# Altium PCB 11BRANMB10H_20170919.pcbdoc (part 7 of 7)
Units mm, origin at the board's own origin, x right, y up, seen from the top; angles counter-clockwise.
Board outline 91.65 x 48.25 mm, 6 copper layers (TOP, GND1, Singal, POWER, GND2, BOTTOM), stack 0.8 mm thick; 367 components, 288 nets, 1408 pads, 965 vias.
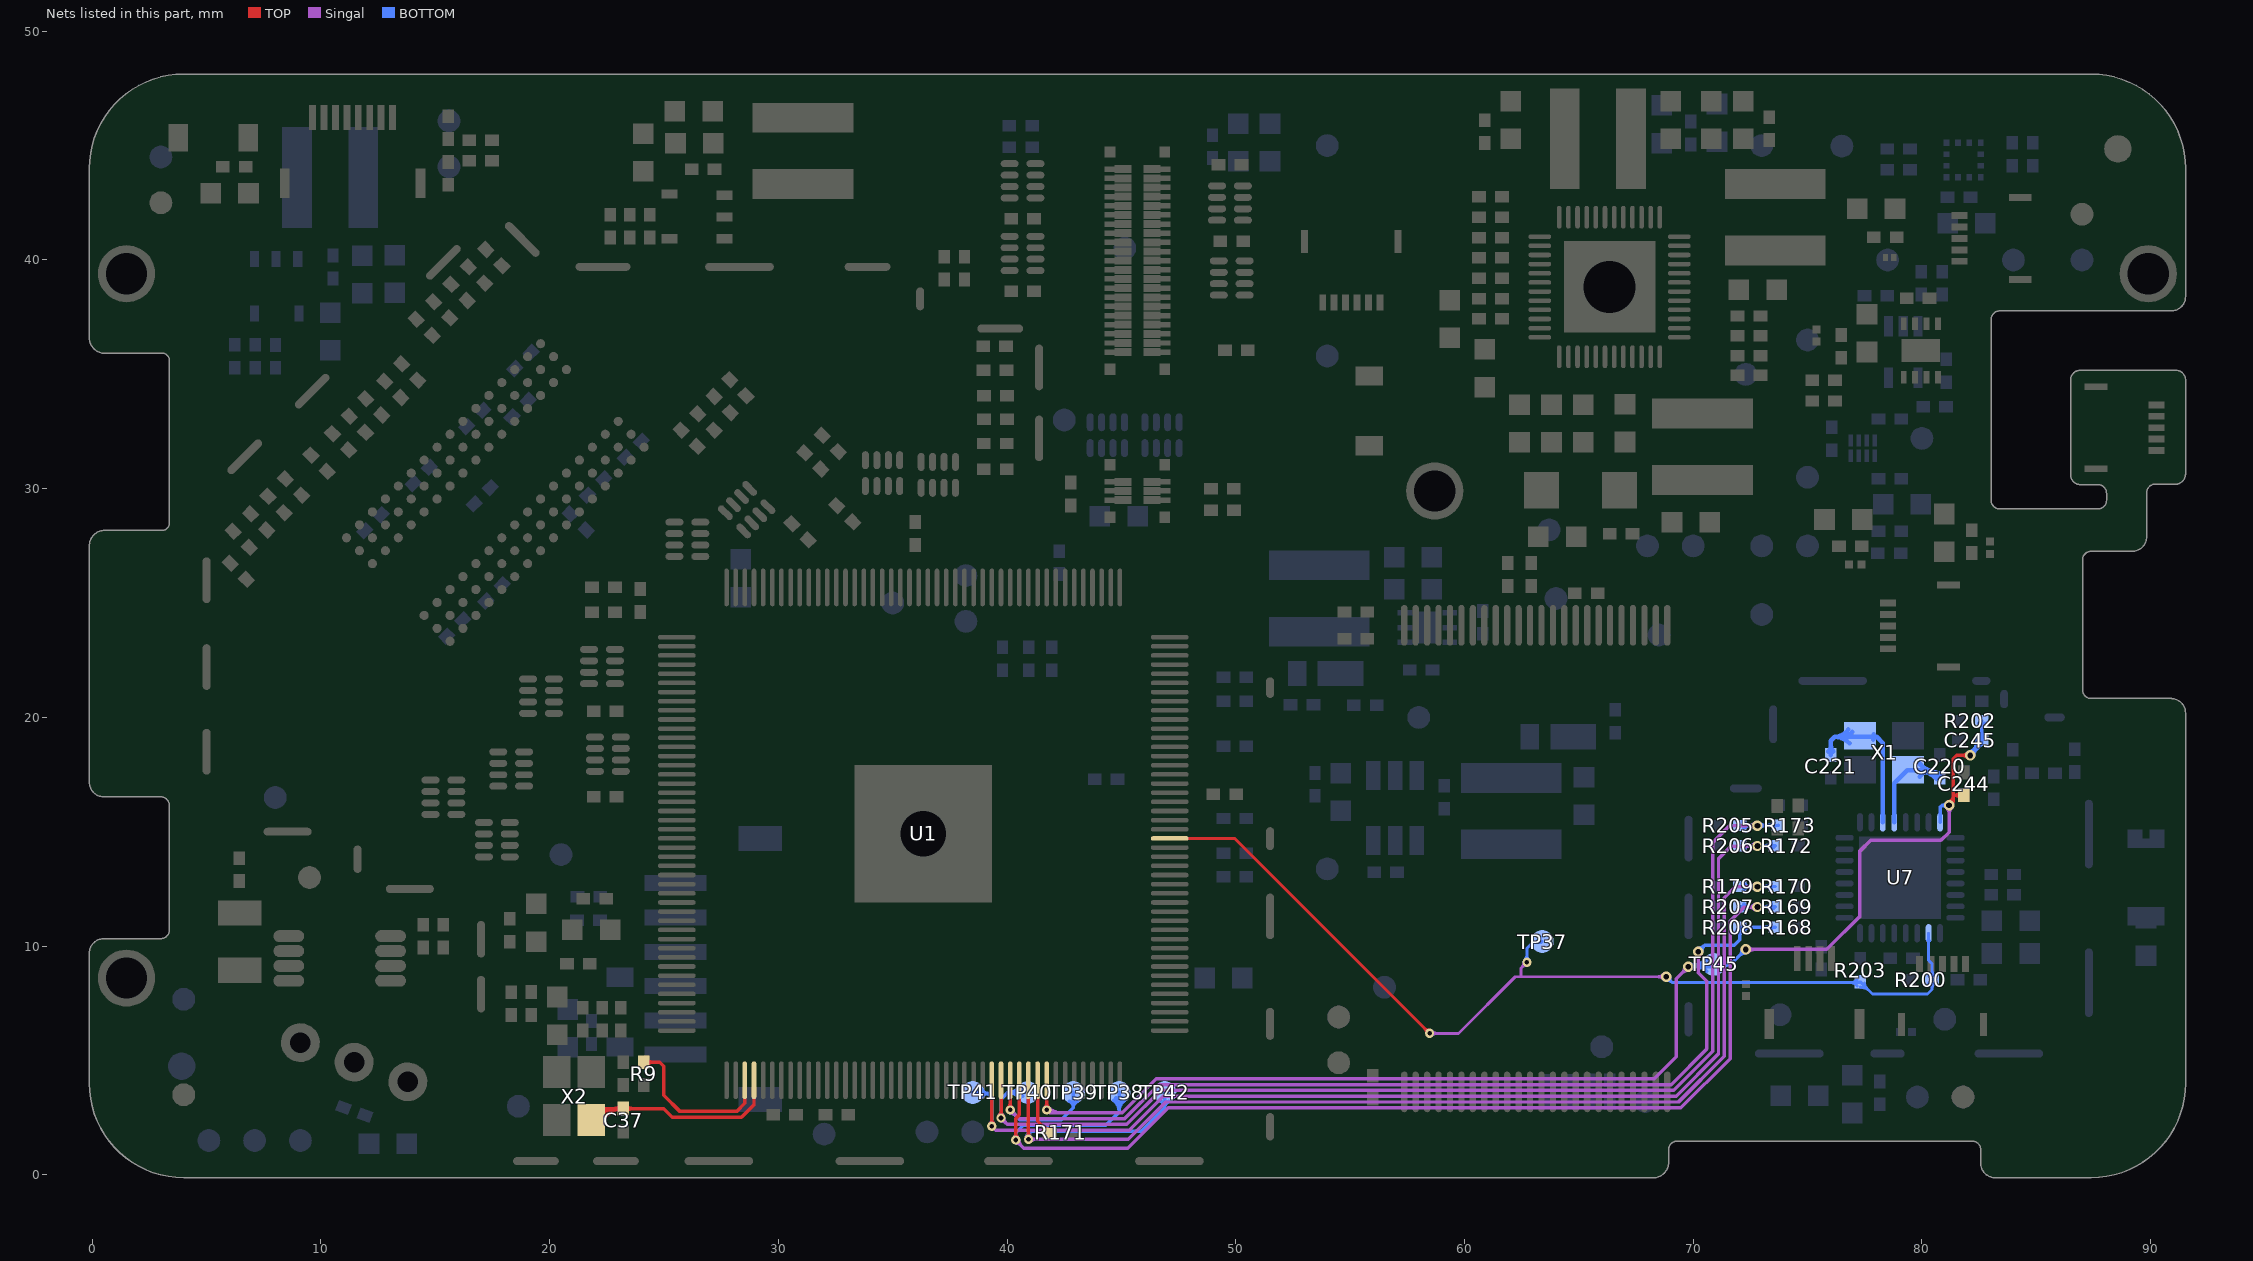
[diagram p11: the nets of this part, all layers, seen from the top]

## Via types
v1: diameter 0.406, hole 0.203, TOP to BOTTOM, tented both sides, 427 vias
v2: diameter 0.457, hole 0.254, TOP to BOTTOM, tented both sides, 256 vias
v3: diameter 0.559, hole 0.305, TOP to BOTTOM, tented both sides, 192 vias
v4: diameter 0.762, hole 0.457, TOP to BOTTOM, tented both sides, 69 vias
v5: diameter 0.61, hole 0.33, TOP to BOTTOM, tented both sides, 11 vias
v6: diameter 0.5, hole 0.2, TOP to BOTTOM, 9 vias
v7: diameter 0.508, hole 0.254, TOP to BOTTOM, tented both sides, 1 vias

## Nets (pads, with @x,y where several pads share a name; then routed paths per layer and width w, separated by ;. In a path a pad name is that pad's centre, name@x,y a point inside that pad or via, vN(x,y) a via of type N, cw(c..) or ccw(c..) an arc to the next point about the centre after c; other vN are vias at no path point) (continued)
WL-RESTN: C244.2 C245.1 R202.1 TP45.1 U1.124 U7.32 | length 71.1
  TOP w0.152: v1@41.645,2.928 ccw(c41.429,3.145) 41.735,3.145 ccw(c42.042,3.145) v1@41.825,2.928 ; v1(41.735,2.838) U1.124@41.735,4.133 ; v2@81.151,16.302 ccw(c81.074,16.594) 81.376,16.594 ; v2@81.231,16.301 ccw(c81.27,16.446) 81.376,16.34 ; v2@81.338,16.194 cw(c81.483,16.234) 81.376,16.34 ; 81.376,16.396 cw(c81.126,16.396) v2(81.191,16.154) 81.376,16.34 ; C244.2@81.703,16.471 ccw(c81.406,16.175) 81.406,16.594 ccw(c81.406,17.014) C244.2@81.703,16.717 ; C244.2@81.826,16.594 81.376,16.594 ; v2@82.01,18.231 ccw(c81.75,17.971) 81.75,18.339 ccw(c81.75,18.707) v2@82.01,18.446 ; v2(82.118,18.339) 81.521,18.339 81.376,18.194 81.376,16.594 ; 81.376,16.34 81.376,16.594
  Singal w0.152: v1@41.717,2.82 ccw(c41.98,3.083) 41.98,2.711 ; v1(41.735,2.838) 41.862,2.711 45.031,2.711 46.519,4.199 68.301,4.199 69.266,5.165 69.266,8.573 v2(69.786,9.093) ; v1@41.825,2.928 ccw(c42.348,3.451) 42.348,2.711 ; v2@69.634,9.093 cw(c69.266,9.093) 69.526,8.833 cw(c69.786,8.573) v2@69.786,8.941 ; v2(72.301,9.855) 75.836,9.855 77.292,11.311 77.292,14.16 77.762,14.63 80.835,14.63 81.191,14.986 v2(81.191,16.154) ; v2@72.408,9.747 cw(c72.669,9.487) 72.669,9.855 cw(c72.669,10.223) v2@72.408,9.963 ; v2@81.083,16.047 cw(c80.823,15.786) 81.191,15.786 cw(c81.559,15.786) v2@81.298,16.047
  BOTTOM w0.152: v2@69.735,9.093 v2(69.786,9.093) ; v2@69.862,9.225 ccw(c70.046,9.544) 70.141,9.188 ; v2@69.894,8.985 cw(c70.154,8.725) 70.154,9.093 cw(c70.154,9.461) v2@69.894,9.201 ; v2@69.918,9.017 cw(c70.237,8.833) 70.141,9.188 ; 70.106,9.093 ccw(c70.106,9.844) TP45.1@70.689,9.371 ; 70.135,9.093 cw(c70.135,8.435) TP45.1@70.6,8.9 ; TP45.1@70.571,9.467 cw(c69.786,10.104) v2(69.786,9.093) ; TP45.1@71.264,8.983 cw(c71.645,8.756) 71.645,9.2 ; TP45.1@71.264,9.417 ccw(c71.645,9.644) 71.645,9.2 ; v2@72.148,9.855 cw(c71.78,9.855) 72.04,9.595 cw(c72.301,9.335) v2@72.301,9.703 ; v2(72.301,9.855) 71.645,9.2 ; U7.32@80.793,15.412 80.793,16.062 80.886,16.154 ; v2@81.069,16.063 ccw(c80.886,15.926) 80.886,16.154 ; v2@81.069,16.246 cw(c80.886,16.383) 80.886,16.154 ; v2(81.191,16.154) 80.886,16.154 ; v2@82.079,18.486 ccw(c81.982,18.847) 82.306,18.66 ; v2(82.118,18.339) 82.618,18.839 C245.1@82.618,18.999 R202.1@82.618,19.863 ; v2@82.118,18.491 ccw(c82.118,18.859) 82.378,18.599 ccw(c82.639,18.339) v2@82.271,18.339 ; v2@82.123,18.343 ccw(c81.467,18.999) C245.1@82.394,18.999 ; v2@82.265,18.378 cw(c82.615,18.472) 82.302,18.653 ; 82.383,18.603 ccw(c81.987,18.999) C245.1@82.547,18.999 ; C245.1@82.495,19.122 ccw(c82.199,19.419) 82.618,19.419 ccw(c83.038,19.419) C245.1@82.741,19.122 ; R202.1@82.495,19.74 cw(c82.199,19.443) 82.618,19.443 cw(c83.038,19.443) R202.1@82.741,19.74 ; v2(69.786,9.093) 70.793,9.093 TP45.1@70.9,9.2 71.645,9.2
WL-SDIO-CLK: R171.1 U1.123 | length 3.2
  TOP w0.152: U1.123@41.335,4.133 41.335,2.348 R171.1@41.854,1.829 ; 41.472,2.211 cw(c41.09,1.829) R171.1@41.63,1.829 ; 41.593,2.09 ccw(c41.804,2.301) R171.1@41.804,2.003
WL-SDIO-CMD: R170.1 R179.2 TP42.1 U1.122 | length 57.8
  TOP w0.152: v1@40.935,1.521 v1(40.935,1.549) ; U1.122@40.935,4.133 40.932,4.13 40.932,2.384 40.935,2.381 v1(40.935,1.549) ; v1@41.025,1.639 cw(c41.242,1.856) 40.935,1.856 cw(c40.628,1.856) 40.845,1.639 v1(40.935,1.549)
  Singal w0.152: v1(40.935,1.549) 45.306,1.549 46.94,3.183 69.359,3.183 71.361,5.185 71.361,12.116 71.843,12.598 v2(72.809,12.598) ; v1@41.025,1.46 cw(c41.242,1.243) 41.242,1.549 cw(c41.242,1.856) v1@41.025,1.639 ; v2@72.701,12.491 ccw(c72.441,12.23) 72.441,12.598 ccw(c72.441,12.966) v2@72.701,12.706
  BOTTOM w0.152: v1@40.858,1.65 ccw(c40.738,1.807) 40.935,1.807 ; v1@40.916,1.532 cw(c41.054,1.66) 40.921,1.793 ; v1(40.935,1.549) 40.935,1.807 ; v1@41.012,1.65 cw(c41.133,1.807) 40.935,1.807 ; v1@41.028,1.636 cw(c41.17,1.768) 41.033,1.905 ; TP42.1@46.723,3.215 cw(c46.595,2.938) 46.9,2.938 ; TP42.1@46.9,3.6 46.9,2.938 ; TP42.1@47.077,3.215 ccw(c47.205,2.938) 46.9,2.938 ; R179.2@72.039,12.606 72.809,12.606 R170.1@73.59,12.606 ; R179.2@72.211,12.483 cw(c72.508,12.187) 72.508,12.606 cw(c72.508,13.026) R179.2@72.211,12.729 ; 72.422,12.606 cw(c72.422,12.212) v2@72.701,12.491 ; 72.459,12.606 ccw(c72.459,12.948) v2@72.701,12.706 ; v2@72.916,12.491 cw(c73.195,12.212) 73.195,12.606 ; v2@72.916,12.706 ccw(c73.158,12.948) 73.158,12.606 ; R170.1@73.417,12.483 ccw(c73.12,12.187) 73.12,12.606 ccw(c73.12,13.026) R170.1@73.417,12.729 ; 40.935,1.807 41.033,1.905 ; 41.033,1.905 45.859,1.905 46.892,2.938 46.9,2.938
WL-SDIO-D0: R172.1 R206.1 TP41.1 U1.118 | length 54.2
  TOP w0.152: v1@39.245,2.217 ccw(c39.028,2.433) 39.335,2.433 ccw(c39.642,2.433) v1@39.425,2.217 ; v1(39.335,2.127) U1.118@39.335,4.133
  Singal w0.152: v1(39.335,2.127) 39.513,1.949 45.347,1.949 46.835,3.437 69.254,3.437 71.107,5.29 71.107,13.818 71.666,14.376 v2(72.809,14.376) ; v2@72.701,14.269 ccw(c72.441,14.008) 72.441,14.376 ccw(c72.441,14.744) v2@72.701,14.484
  BOTTOM w0.152: TP41.1@38.5,3.6 38.544,3.556 39.154,3.556 ; TP41.1@38.868,3.39 cw(c39.154,3.228) 39.154,3.556 ; TP41.1@38.901,3.737 ccw(c39.154,3.823) 39.154,3.556 ; v1@39.245,2.217 ccw(c39.028,2.433) 39.335,2.433 ccw(c39.642,2.433) v1@39.425,2.217 ; v1(39.335,2.127) 39.335,3.374 39.154,3.556 ; R206.1@72.038,14.384 72.809,14.384 R172.1@73.59,14.384 R172.1@73.527,14.321 ; R206.1@72.211,14.261 cw(c72.508,13.965) 72.508,14.384 cw(c72.508,14.804) R206.1@72.211,14.507 ; 72.421,14.384 cw(c72.421,13.989) v2@72.701,14.269 ; 72.46,14.384 ccw(c72.46,14.725) v2@72.701,14.484 ; v2@72.916,14.269 cw(c73.196,13.989) 73.196,14.384 ; v2@72.916,14.484 ccw(c73.157,14.725) 73.157,14.384 ; 73.12,14.384 cw(c73.12,13.964) R172.1@73.417,14.261 ; 73.121,14.384 ccw(c73.121,14.803) R172.1@73.417,14.507
WL-SDIO-D1: R173.1 R205.1 TP40.1 U1.119 | length 56.1
  TOP w0.152: v1@39.645,2.572 ccw(c39.429,2.789) 39.735,2.789 ccw(c40.042,2.789) v1@39.825,2.572 ; v1@39.735,2.384 v1(39.735,2.482) U1.119@39.735,4.133
  Singal w0.152: v1@39.735,2.355 cw(c39.735,2.049) 39.952,2.266 cw(c40.169,2.482) v1@39.862,2.482 ; v1(39.735,2.482) 40.015,2.203 45.241,2.203 46.73,3.691 69.148,3.691 70.853,5.396 70.853,14.529 71.589,15.265 v2(72.809,15.265) v2@72.834,15.265 ; v2@72.701,15.158 ccw(c72.441,14.897) 72.441,15.265 ccw(c72.441,15.633) v2@72.701,15.373
  BOTTOM w0.152: v1@39.645,2.572 ccw(c39.429,2.789) 39.735,2.789 ccw(c40.042,2.789) v1@39.825,2.572 ; v1@39.673,2.545 v1(39.735,2.482) 39.735,3.299 40.036,3.6 ; TP40.1@40.565,3.341 ccw(c40.036,2.931) 40.036,3.6 ; TP40.1@40.565,3.859 cw(c40.036,4.269) 40.036,3.6 ; TP40.1@40.685,3.434 ccw(c40.347,3.171) 40.347,3.6 ccw(c40.347,4.029) TP40.1@40.685,3.766 ; TP40.1@40.9,3.6 40.036,3.6 ; R205.1@72.038,15.273 72.809,15.273 73.709,15.273 R173.1@73.715,15.279 ; R205.1@72.211,15.15 cw(c72.508,14.854) 72.508,15.273 cw(c72.508,15.693) R205.1@72.211,15.396 ; 72.421,15.273 cw(c72.421,14.878) v2@72.701,15.158 ; 72.46,15.273 ccw(c72.46,15.614) v2@72.701,15.373 ; v2@72.916,15.158 cw(c73.196,14.878) 73.196,15.273 ; v2@72.916,15.373 ccw(c73.157,15.614) 73.157,15.273 ; 73.232,15.273 ccw(c73.232,15.713) R173.1@73.542,15.402 ; 73.26,15.273 cw(c73.26,14.874) R173.1@73.542,15.156
WL-SDIO-D2: R168.1 R208.1 TP39.1 U1.120 | length 50.8
  TOP w0.152: v1@40.045,2.928 ccw(c39.829,3.145) 40.135,3.145 ccw(c40.442,3.145) v1@40.225,2.928 ; v1(40.135,2.838) U1.120@40.135,4.133
  Singal w0.152: v1@40.135,2.711 cw(c40.135,2.404) 40.352,2.621 cw(c40.569,2.838) v1@40.262,2.838 ; v1(40.135,2.838) 40.516,2.457 45.136,2.457 46.624,3.945 69.043,3.945 70.599,5.501 70.599,8.458 70.218,8.839 v2(70.218,9.754) ; v2@70.11,9.646 cw(c69.85,9.386) 70.218,9.386 cw(c70.586,9.386) v2@70.326,9.646
  BOTTOM w0.152: v1@40.135,2.711 cw(c40.135,2.404) 40.352,2.621 cw(c40.569,2.838) v1@40.262,2.838 ; v1(40.135,2.838) 40.56,2.413 42.375,2.413 42.9,2.938 ; TP39.1@42.723,3.215 cw(c42.595,2.938) 42.9,2.938 ; TP39.1@42.9,3.6 42.9,2.938 ; TP39.1@43.077,3.215 ccw(c43.205,2.938) 42.9,2.938 ; v2(70.218,9.754) 70.497,10.033 71.793,10.033 72.038,10.279 R208.1@72.038,10.828 R168.1@73.59,10.828 ; v2@70.218,9.906 ccw(c70.218,10.274) 70.478,10.014 ccw(c70.738,9.754) v2@70.37,9.754 ; R208.1@71.916,10.705 cw(c71.619,10.409) 72.038,10.409 cw(c72.458,10.409) R208.1@72.161,10.705 ; R208.1@72.211,10.705 cw(c72.508,10.409) 72.508,10.828 cw(c72.508,11.248) R208.1@72.211,10.951 ; 73.12,10.828 cw(c73.12,10.408) R168.1@73.417,10.705 ; 73.121,10.828 ccw(c73.121,11.247) R168.1@73.417,10.951
WL-SDIO-D3: R169.1 R207.1 TP38.1 U1.121 | length 57.1
  TOP w0.127: U1.121@40.535,4.133 U1.121@40.538,4.13
  TOP w0.152: v1@40.294,1.61 ccw(c40.078,1.826) 40.384,1.826 ccw(c40.691,1.826) v1@40.474,1.61 ; v1(40.384,1.52) 40.384,2.462 40.538,2.616 U1.121@40.538,4.13
  Singal w0.152: v1@40.384,1.393 cw(c40.384,1.086) 40.601,1.303 cw(c40.818,1.52) v1@40.511,1.52 ; v1(40.384,1.52) 40.736,1.168 45.284,1.168 47.045,2.929 69.464,2.929 71.615,5.08 71.615,11.1 72.224,11.709 v2(72.809,11.709) ; v2@72.701,11.602 ccw(c72.441,11.341) 72.441,11.709 ccw(c72.441,12.077) v2@72.701,11.817
  BOTTOM w0.152: v1@40.294,1.61 ccw(c40.078,1.826) 40.384,1.826 ccw(c40.691,1.826) v1@40.474,1.61 ; v1(40.384,1.52) 40.384,1.84 40.703,2.159 44.31,2.159 44.919,2.769 44.9,2.788 ; TP38.1@44.658,3.252 cw(c44.334,2.788) 44.9,2.788 ; TP38.1@44.745,3.377 cw(c44.538,3.08) 44.9,3.08 cw(c45.262,3.08) TP38.1@45.055,3.377 ; TP38.1@44.9,3.6 44.9,2.788 ; TP38.1@45.142,3.252 ccw(c45.466,2.788) 44.9,2.788 ; R207.1@72.038,11.717 72.809,11.717 R169.1@73.59,11.717 R169.1@73.527,11.654 ; R207.1@72.211,11.594 cw(c72.508,11.298) 72.508,11.717 cw(c72.508,12.137) R207.1@72.211,11.84 ; 72.421,11.717 cw(c72.421,11.322) v2@72.701,11.602 ; 72.46,11.717 ccw(c72.46,12.058) v2@72.701,11.817 ; v2@72.916,11.602 cw(c73.196,11.322) 73.196,11.717 ; v2@72.916,11.817 ccw(c73.157,12.058) 73.157,11.717 ; 73.12,11.717 cw(c73.12,11.297) R169.1@73.417,11.594 ; 73.121,11.717 ccw(c73.121,12.136) R169.1@73.417,11.84
WL-WAKE-UP: R200.2 R203.1 TP37.1 U1.154 U7.10 | length 49.3
  TOP w0.127: U1.154@47.11,14.708 49.954,14.708 v1(58.474,6.188) ; v1@58.334,6.188 ccw(c57.997,6.188) 58.235,6.427 ccw(c58.474,6.665) v1@58.474,6.328
  Singal w0.127: v1@58.481,6.181 59.739,6.181 62.22,8.661 62.475,8.661 ; v1@58.572,6.089 cw(c58.793,5.869) 58.793,6.181 ; v1@58.572,6.287 ccw(c58.829,6.544) 58.829,6.181 ; v1@62.589,9.296 cw(c62.252,9.296) 62.491,9.058 cw(c62.729,8.819) v1@62.729,9.156 ; v1(62.729,9.296) 62.475,9.042 62.475,8.661 ; v2@68.704,8.545 ccw(c68.422,8.263) 68.422,8.661 ccw(c68.422,9.06) v2@68.704,8.778 ; v2(68.821,8.661) 62.475,8.661
  BOTTOM w0.127: v1@62.63,9.395 ccw(c62.392,9.633) 62.729,9.633 ccw(c63.066,9.633) v1@62.828,9.395 ; v1(62.729,9.296) 62.729,9.906 62.983,10.16 63.36,10.16 TP37.1@63.4,10.2 ; v2(68.821,8.661) 69.075,8.407 ; v2@68.833,8.497 cw(c68.857,8.189) 69.075,8.407 ; v2@68.985,8.649 ccw(c69.293,8.625) 69.075,8.407 ; 76.814,8.407 cw(c76.814,7.9) R203.1@77.173,8.259 ; 76.894,8.407 ccw(c76.894,8.801) R203.1@77.173,8.523 ; R203.1@77.304,8.204 cw(c77.304,7.633) 77.708,8.037 ; R203.1@77.491,8.391 ccw(c77.82,8.391) 77.587,8.158 ; U7.10@80.25,10.244 cw(c80.145,10.139) 80.293,10.139 cw(c80.441,10.139) U7.10@80.336,10.244 ; U7.10@80.293,10.562 80.293,9.381 80.446,9.228 R200.2@80.446,8.534 80.446,8.103 ; R200.2@80.314,8.666 ccw(c79.996,8.985) 80.446,8.985 ccw(c80.896,8.985) R200.2@80.578,8.666 ; R200.2@80.318,8.399 cw(c80.039,8.103) 80.446,8.103 ; R200.2@80.574,8.399 ccw(c80.853,8.103) 80.446,8.103 ; 69.075,8.407 77.271,8.407 R203.1@77.304,8.441 77.846,7.899 80.243,7.899 80.446,8.103
X24MI: C37.2 U1.92 X2.1 | length 14.9
  TOP w0.152: X2.1@21.738,2.529 cw(c22.292,2.293) X2.1@22.292,2.895 ; X2.1@21.817,2.395 21.817,2.713 21.999,2.895 C37.2@23.214,2.895 ; X2.1@21.878,2.469 cw(c22.522,2.195) 22.522,2.895 ; X2.1@22.018,2.41 cw(c22.753,2.097) 22.753,2.895 ; X2.1@22.159,2.35 cw(c22.983,1.999) C37.2@22.983,2.895 ; X2.1@22.299,2.29 cw(c23.214,1.901) C37.2@23.214,2.895 ; C37.2@23.091,2.773 ccw(c22.794,2.476) 22.794,2.895 ccw(c22.794,3.315) C37.2@23.091,3.018 ; C37.2@23.337,2.773 cw(c23.633,2.476) 23.633,2.895 cw(c23.633,3.315) C37.2@23.337,3.018 ; U1.92@28.935,4.133 28.935,3.062 28.388,2.515 25.361,2.515 24.981,2.895 C37.2@23.214,2.895
X24MO: R9.1 U1.91 | length 7.9
  TOP w0.152: R9.1@24.117,4.927 24.81,4.927 24.992,4.745 24.992,3.475 25.699,2.769 28.181,2.769 28.535,3.123 U1.91@28.535,4.133 ; R9.1@24.24,4.805 cw(c24.536,4.508) 24.536,4.927 cw(c24.536,5.347) R9.1@24.24,5.05
XTAL_IN: C220.1 U7.28 X1.1 | length 7.5
  BOTTOM w0.203: U7.28@78.793,15.412 78.793,17.119 79.36,17.686 79.4,17.686 80.442,17.686 ; X1.1@79.738,17.686 cw(c79.738,16.372) C220.1@80.667,17.301 ; X1.1@79.905,17.411 cw(c80.442,17.025) 80.442,17.686 ; X1.1@79.92,17.971 ccw(c80.442,18.307) 80.442,17.686 ; 80.228,17.686 cw(c80.228,16.862) C220.1@80.811,17.445 ; C220.1@80.554,17.574 cw(c80.386,17.406) C220.1@80.624,17.406 ; C220.1@80.769,17.555 cw(c80.76,18.004) 80.442,17.686 ; C220.1@80.772,17.356 80.442,17.686
XTAL_OUT: C221.1 U7.27 X1.3 | length 9.4
  BOTTOM w0.203: C221.1@75.917,18.511 ccw(c75.664,18.764) 76.022,18.764 ccw(c76.38,18.764) C221.1@76.127,18.511 ; C221.1@76.022,18.356 76.022,18.984 76.186,19.147 ; 76.558,19.147 ccw(c76.558,19.616) X1.3@76.952,19.362 ; X1.3@76.781,19.472 cw(c76.186,19.856) 76.186,19.147 ; X1.3@76.835,18.864 ccw(c76.186,18.263) 76.186,19.147 ; X1.3@77.87,19.036 cw(c78.027,18.981) 78.027,19.147 ; X1.3@77.895,19.264 ccw(c78.027,19.28) 78.027,19.147 ; U7.27@78.293,15.412 78.293,18.881 78.027,19.147 ; 76.186,19.147 77.3,19.147 78.027,19.147
pads on no net: J4.9 J4.10 J5.5 J6.3 J6.4 J17.5 J18.5 M1.4 M1.5 M2.4 M2.5 U1.14 U1.15 U1.74 U1.77 U1.78 U1.84 U1.85 U1.87 U1.88 U1.89 U1.90 U1.95 U1.96 U1.99 U1.150 U1.155 U2.J1 U2.J9 U2.L1 U2.L9 U2.M7 U3.3 U3.5 U3.18 U3.19 U3.29 U3.30 U7.5 U7.6 U7.8 U7.9 U7.12 U7.13 U7.14 U7.15 U7.25 U8.3 U8.4 U8.5 U8.11 U8.14 U8.15 U8.20 U8.21 U8.22 U8.26 U8.27 U8.28 U8.33 U8.40 U8.45 U8.46 U8.47 U9.2 U21.3 U21.6

## Polygon pours and split planes (outlines as drawn)
CORE-VDD on TOP "Bottom Layer-No Net" (solid, remove dead copper, pour order 550): 36.538,21.609 45.225,21.609 45.25,21.583 45.225,21.558 45.225,15.056 45.225,12.973 45.199,12.947 45.174,12.922 41.262,12.922 41.262,19.221 41.237,19.247 41.135,19.348 36.335,19.348 36.335,21.558 36.385,21.609
IPSOUT on TOP "TOP-No Net 1" (solid, remove dead copper, pour order 560): 22.111,44.52 22.111,42.564 25.641,42.564 25.768,42.437 25.743,42.462 25.743,44.52
N502826 on TOP "TOP-No Net 1" (solid, remove dead copper, pour order 552): 33.363,45.612 27.902,45.612 27.902,43.478 27.826,43.402 27.8,43.427 26.962,43.427 26.962,47.085 27.038,47.161 27.14,47.263 33.363,47.263
N502982 on TOP "TOP-No Net 1" (solid, remove dead copper, pour order 551): 33.439,43.986 33.464,43.961 33.464,42.589 27.241,42.589 27.241,43.097 28.816,43.097 28.816,44.012 33.363,44.012 33.388,43.986
N497618 on TOP "TOP-No Net 1" (solid, remove dead copper, pour order 546): 67.343,35.263 67.365,35.241 68.143,35.241 68.502,34.882 68.629,35.009 72.82,35.009 72.82,32.596 72.695,32.471 67.552,32.471 67.552,34.059 67.613,34.12 67.486,34.247 67.359,34.247
N496496 on TOP "Bottom Layer-No Net" (solid, remove dead copper, pour order 544): 69.899,39.454 69.899,40.216 69.902,40.219 70.283,40.219 71.042,40.978 71.169,41.105 71.423,41.105 75.82,41.105 75.884,41.169 76.074,40.978 76.074,39.4 71.35,39.4 71.296,39.454 70.661,39.454 69.934,39.454 69.899,39.419
DCIN-5V on TOP "TOP-No Net 1" (solid, remove dead copper, pour order 556): 55.029,37.625 55.029,35.107 55.054,35.077 58.534,35.077 58.534,37.712 58.458,37.625 55.029,37.625
N496392 on TOP "Bottom Layer-No Net" (solid, remove dead copper, pour order 548): 66.027,31.058 66.002,31.032 66.002,28.746 67.043,28.746 67.043,27.121 69.609,27.121 69.634,27.095 69.685,27.146 69.685,29.457 72.733,29.457 72.758,29.432 72.758,31.134 66.027,31.134 66.002,31.108
GND on TOP "GRD" (solid, pour order 561): 86.118,35.331 86.22,35.23 91.782,35.23 91.782,30.226 91.63,30.074 91.528,29.972 86.22,29.972
IPSOUT on TOP "Bottom Layer-No Net" (solid, remove dead copper, pour order 531): 33.566,48.743 33.566,43.383 33.566,42.977 33.786,42.756 61.636,42.756 61.636,49.323 61.175,49.784
USBVBUS on TOP "Bottom Layer-No Net" (solid, remove dead copper, pour order 538): 8.089,41.224 6.235,41.224 6.235,46.203 7.531,46.203 9.232,46.203 9.232,45.745 9.232,45.593 10.858,45.593 10.858,43.942 10.706,44.094 7.912,44.094 8.191,44.094 8.191,42.316 8.191,41.224
GND on TOP "Bottom-No Net" (solid, remove dead copper, pour order 56): -3.761,50.165 92.861,50.165 92.861,-1.346 93.14,-1.626 -3.176,-1.626 -3.329,-1.473
N17550467 on BOTTOM "Bottom Layer-No Net" (solid, pour order 543): 57.594,15.261 64.275,15.261 64.452,15.261 64.452,13.61 64.427,13.635 62.116,13.635 57.594,13.635
N17550444 on BOTTOM "Bottom Layer-No Net" (solid, pour order 542): 57.569,16.709 65.9,16.709 65.9,19.528 65.9,19.757 65.037,19.757 63.741,19.757 63.741,19.376 63.741,18.055 63.309,18.055 58.966,18.055 58.966,18.309 58.966,18.385 58.331,18.385 57.569,18.385
IPSOUT on BOTTOM "Bottom Layer-No Net" (solid, pour order 541): 59.22,20.697 61.481,20.697 61.481,22.043 61.481,22.246 62.852,22.246 63.665,22.246 63.665,21.459 63.665,19.909 63.69,19.884 63.69,19.147 63.69,18.385 63.563,18.258 59.22,18.258
N499376 on BOTTOM "Bottom Layer-No Net" (solid, pour order 540): 6.794,38.096 7.379,38.096 7.379,36.775 8.293,36.775 8.471,36.775 8.471,36.216 8.471,35.81 7.506,35.81 5.778,35.81 5.778,36.775 6.82,36.775 6.82,37.791 6.82,38.096
BAT on BOTTOM "Bottom Layer-No Net" (solid, remove dead copper, pour order 539): 12.825,5.113 16.508,5.113 17.778,3.843 18.134,3.488 18.134,2.573 18.134,0.617 18.108,0.592 13.943,0.592 12.851,0.592 12.825,0.617
CORE-VDD on BOTTOM "Bottom Layer-No Net" (solid, remove dead copper, pour order 554): 43.37,14.395 43.37,12.693 43.345,12.668 43.345,12.541 49.822,12.541 49.619,12.744 49.619,14.852 43.37,14.852
CPU-VDD on BOTTOM "Bottom Layer-No Net" (solid, remove dead copper, pour order 553): 43.599,21.329 44.132,21.329 44.132,21.837 44.158,21.863 45.377,23.082 45.86,23.565 49.873,23.565 49.873,15.081 49.847,15.056 49.695,15.208 46.749,15.208 46.749,19.856 46.647,19.958 43.624,19.958
N499368 on BOTTOM "TOP-No Net 1" (solid, remove dead copper, pour order 547): 14.11,46.018 14.084,45.993 14.084,39.744 10.02,39.744 9.995,39.719 10.02,39.744 10.02,40.913 11.214,40.913 11.239,40.938 11.239,45.993
DCIN-5V on BOTTOM "TOP-No Net 1" (solid, remove dead copper, pour order 557): 62.751,38.195 62.7,38.139 55.029,38.139 55.029,35.105 55.004,35.077 55.029,35.105 62.09,35.105 62.09,36.775 62.116,36.803 62.141,36.775 62.751,36.775
IPSOUT on BOTTOM "TOP-No Net 1" (solid, remove dead copper, pour order 558): 12.027,36.646 12.001,36.62 9.588,36.62 9.588,38.093 8.674,38.093 8.674,35.452 8.75,35.376 12.027,35.376
GND on BOTTOM "GRD" (solid, remove dead copper, pour order 562): 86.042,35.306 91.681,35.306 91.732,35.357 91.528,35.154 91.528,30.226 85.89,30.226 85.864,30.201
VLED- on BOTTOM "Bottom Layer-No Net" (solid, remove dead copper, pour order 525): 59.042,24.358 59.067,24.333 61.125,24.333 61.125,27.407 61.15,27.432 61.099,27.382 59.956,27.382 59.829,27.382 59.829,25.176 59.829,24.879 59.27,24.879 59.042,24.879
N17800564 on BOTTOM "Bottom Layer-No Net" (solid, remove dead copper, pour order 526): 57.746,23.419 57.746,23.622 56.095,23.622 56.07,23.647 56.095,23.673 56.095,24.46 51.244,24.46 51.244,22.073 51.879,22.073 51.879,21.082 53.276,21.082 53.301,21.107 53.327,21.133 53.327,22.809 57.696,22.809 57.746,22.86
N17800108 on BOTTOM "Bottom Layer-No Net" (solid, remove dead copper, pour order 529): 57.442,27.788 51.244,27.788 51.244,26.594 51.244,25.933 51.269,25.959 56.019,25.959 56.019,24.435 56.045,24.46 57.772,24.46 57.772,24.816 57.746,24.79 57.442,24.79 57.442,27.788
IPSOUT on BOTTOM "Bottom Layer-No Net" (solid, remove dead copper, pour order 532): 58.1,26.139 58.135,26.167 60.176,26.167 60.176,27.689 64.115,27.689 64.186,27.745 64.186,28.88 58.135,28.88 58.1,28.852 57.924,28.852 57.924,26.111
VLED+ on BOTTOM "Bottom Layer-No Net" (solid, remove dead copper, pour order 534): 53.53,22.657 58,22.657 58,21.647 58,21.311 54.216,21.311 53.581,21.311 53.53,21.367
HPVCC on BOTTOM "Bottom Layer-No Net" (solid, remove dead copper, pour order 530): 47.561,44.907 47.589,44.933 53.001,44.933 53.001,43.555 53.022,43.536 50.393,43.536 47.564,43.536 47.561,43.538
VCC-5V on BOTTOM "Bottom Layer-No Net" (solid, remove dead copper, pour order 528): 18.326,6.096 21.069,6.096 27.114,6.096 27.114,5.588 27.114,4.597 24.218,4.597 18.554,4.597 18.326,4.369
VCC-5V on BOTTOM "Bottom Layer-No Net" (solid, remove dead copper, pour order 533): 57.34,16.739 57.34,19.355 57.34,21.031 57.315,21.057 55.664,21.057 55.664,19.863 53.809,19.863 52.895,19.863 52.895,18.466 52.895,16.967 54.775,16.967 55.156,16.967 55.156,18.009 55.156,18.593 55.918,18.593 56.502,18.593 56.502,17.983 56.502,16.739
CORE-VDD on BOTTOM "Bottom Layer-No Net" (solid, remove dead copper, pour order 536): 58.788,41.91 54.825,41.91 54.825,46.965 58.661,46.965 68.135,46.965 68.135,45.974 68.135,44.171 68.084,44.221 61.506,44.221 58.788,44.221
USBVBUS on BOTTOM "Bottom Layer-No Net" (solid, remove dead copper, pour order 537): 53.149,44.069 55.257,44.069 55.257,41.453 55.283,41.478 56.299,41.478 61.76,41.478 62.547,40.691 62.953,40.284 62.953,38.329 53.251,38.329 53.149,38.43
CORE-VDD on BOTTOM "Bottom Layer-No Net" (solid, remove dead copper, pour order 555): 36.36,6.572 36.36,4.642 35.496,3.778 35.268,3.549 30.62,3.549 30.264,3.549 30.213,3.499 30.162,3.549 30.162,17.799 30.162,23.463 30.188,23.488 30.213,23.514 35.725,23.514 37.401,23.514 37.655,23.26 37.782,23.133 37.782,19.145 37.782,18.916 37.732,18.866 37.706,18.891 31.813,18.891 31.813,6.572 31.839,6.547
GND on BOTTOM "Bottom-No Net" (solid, remove dead copper, pour order 58): -2.262,49.124 92.124,49.124 92.48,49.479 92.48,-1.473 92.836,-1.829 -2.77,-1.829 -3.303,-1.295
BAT on POWER "Bottom Layer-No Net" (solid, remove dead copper, pour order 45): 14.926,0.914 18.127,0.914 18.127,1.575 18.889,1.575 31.335,1.575 32.884,3.124 32.884,5.969 43.4,5.969 47.87,10.439 48.53,11.1 48.53,13.563 48.53,14.833 48.988,15.291 49.089,15.392 52.239,15.392 52.29,15.392 53.306,14.376 57.446,10.236 59.478,10.236 63.364,10.236 65.015,11.887 66.615,13.487 66.615,15.646 66.615,31.496 66.615,31.902 66.615,32.131 65.675,33.071 64.329,34.417 62.602,34.417 62.602,33.452 63.262,32.791 63.77,32.283 63.77,29.921 63.77,15.214 62.932,14.376 62.119,13.563 58.487,13.563 58.436,13.563 55.668,16.332 53.814,18.186 47.692,18.186 47.54,18.186 45.508,16.154 45.025,15.672 45.025,12.319 45.025,12.166 44.162,11.303 41.876,9.017 39.107,9.017 31.385,9.017 29.734,7.366 29.506,7.137 29.506,5.004 29.15,4.648 28.998,4.496 14.926,4.496
DRAM-VCC on POWER "TOP-No Net 1" (solid, remove dead copper, pour order 559): 16.116,41.218 17.945,41.218 19.926,39.236 20.307,39.236 40.424,39.236 41.008,38.652 41.389,38.271 41.389,32.632 41.211,32.632 37.732,29.153 37.605,29.026 37.605,23.692 28.359,23.692 28.334,23.666 28.257,23.59 28.257,16.199 28.257,14.802 28.232,14.776 28.181,14.725 4.966,14.725 4.966,29.635 16.573,41.243
VCC-WIFI-3V3 on POWER "Bottom Layer-No Net" (solid, remove dead copper, pour order 535): 71.666,16.561 71.64,16.535 71.64,11.709 71.64,7.823 71.666,7.849 78.27,7.849 83.731,7.849 83.756,7.823 82.969,8.611 82.969,17.043 71.716,17.043 71.666,16.993
IPSOUT on POWER "GRD" (solid, remove dead copper, pour order 563): 59.96,44.399 60.069,44.501 71.205,44.501 71.205,38.608 71.259,38.557 71.232,38.532 71.232,34.442 71.232,33.884 71.178,33.833 71.15,33.807 59.988,33.807
BAT on POWER "Bottom Layer-No Net" (solid, remove dead copper, pour order 47): 29.506,6.858 29.506,7.772 30.75,9.017 31.081,9.347 33.036,9.347 41.368,9.347 43.247,11.227 44.39,12.37 44.39,15.011 44.39,15.951 44.873,16.434 45.025,16.586 46.93,16.586 46.93,11.735 44.543,9.347 43.196,8.001 31.792,8.001 31.792,7.925 30.75,6.883
BAT on POWER "Bottom Layer-No Net" (solid, remove dead copper, pour order 49): 29.506,7.747 26.051,4.292 25.95,4.292 25.95,3.632 26.051,3.53 26.28,3.759 30.446,3.759 30.446,7.848
BAT on POWER "Bottom Layer-No Net" (solid, remove dead copper, pour order 55): 53.814,18.186 54.347,18.186 54.398,18.186 54.88,17.704 58.513,14.071 59.579,14.071 61.815,14.071 62.983,15.24 63.262,15.519 63.262,17.754 63.262,20.294 63.288,20.32 63.313,20.345 63.72,20.345 64.71,20.345 64.761,20.294 64.659,20.193 64.659,13.995 64.659,13.944 63.288,12.573 63.11,12.751 57.039,12.751 57.039,14.706 53.61,18.135
BAT on POWER "Bottom Layer-No Net" (solid, pour order 59): 66.615,13.487 66.869,13.741 66.869,14.478 66.869,32.105 66.869,32.131 66.615,32.131 66.437,32.131 66.437,13.436 66.412,13.411
CORE-VDD on POWER "Bottom Layer-No Net" (solid, remove dead copper, pour order 61): 36.364,21.59 39.564,21.59 39.564,19.913 39.59,19.888 42.612,19.888 44.619,19.888 45.025,20.294 45.762,21.031 45.762,24.358 45.762,24.511 45.711,24.562 47.921,24.562 51.578,24.562 53.814,26.797 53.839,26.822 53.839,31.089 53.839,31.521 56.303,33.985 57.42,35.103 57.42,41.656 57.42,43.434 59.046,43.434 59.046,32.867 57.801,31.623 56.658,30.48 56.658,25.654 56.658,25.501 54.88,23.723 53.687,22.53 49.953,22.53 48.861,22.53 48.861,21.691 47.489,20.32 45.406,18.237 36.338,18.237
CORE-VDD on POWER "Bottom Layer-No Net" (solid, remove dead copper, pour order 63): 57.065,34.722 57.065,43.332 57.344,43.612 57.37,43.637 58.919,43.637 59.021,43.637 59.046,43.662
CORE-VDD on POWER "Bottom Layer-No Net" (solid, remove dead copper, pour order 67): 57.065,43.058 57.065,43.637 58.436,43.637 58.462,43.612 58.462,41.935 57.065,41.935
CORE-VDD on POWER "Bottom Layer-No Net" (solid, remove dead copper, pour order 69): 59.021,42.189 59.402,42.189 59.402,32.944 58.055,31.597 56.862,30.404 56.862,28.194 56.862,25.197 55.236,23.571 53.89,22.225 49.521,22.225 49.496,22.225 48.048,20.777 47.21,19.939 47.006,19.939 47.006,22.911 47.235,23.139 47.692,23.596 52.01,23.596 53.229,23.596 55.388,25.755 56.608,26.975 56.608,32.207 56.608,32.232 58.538,34.163 58.589,34.214 58.589,41.935
CORE-VDD on POWER "Bottom Layer-No Net" (solid, remove dead copper, pour order 73): 47.819,22.885 53.941,22.885 54.068,22.758 54.118,22.707 54.322,22.707 54.322,22.657 53.89,22.225 53.509,21.844 50.689,21.844 50.258,21.844 48.784,20.371 48.378,19.964 47.184,19.964 47.184,22.555 47.311,22.682 47.514,22.885 53.966,22.885
CPU-VDD on POWER "Bottom Layer-No Net" (solid, remove dead copper, pour order 75): 75.581,44.551 64.634,44.551 63.872,45.313 63.796,45.39 62.17,45.39 57.598,45.39 56.785,44.577 56.735,44.526 56.735,43.764 56.735,40.995 56.1,40.36 55.236,39.497 55.236,35.814 55.236,33.604 54.449,32.817 53.382,31.75 53.382,29.667 53.382,28.143 50.258,25.019 50.207,24.968 44.289,24.968 44.162,24.968 44.162,21.92 44.162,20.244 43.908,19.99 43.882,20.015 40.682,20.015 40.352,20.015 39.971,20.015 39.971,21.971 37.913,21.971 37.913,28.499 40.428,31.013 41.876,32.461 47.184,32.461 49.572,32.461 52.696,35.585 52.798,35.687 52.798,41.427 52.798,41.884 54.779,43.866 54.982,44.069 54.982,46.863 54.982,47.142 60.621,47.142 75.683,47.142 75.683,46.279 75.683,47.041 75.785,47.142 75.81,47.117 75.81,45.085 75.81,44.551
CPU-VDD on POWER "Bottom Layer-No Net" (solid, pour order 77): 52.798,41.529 52.163,41.529 52.163,39.065 52.163,36.296 50.486,34.62 49.597,33.731 41.952,33.731 41.926,33.731 41.901,33.706 41.901,31.851 51.045,31.851 51.578,32.385 53.534,34.341 53.534,35.509 53.534,41.249 53.61,41.326
CORE-VDD on POWER "Bottom Layer-No Net" (solid, pour order 79): 20.895,10.744 31.792,10.744 31.817,10.769 31.817,15.951 31.817,18.948 31.792,18.974 38.116,18.974 38.116,21.615 38.066,21.564 36.313,21.564 36.313,23.165 36.338,23.19 36.338,23.419 28.845,23.419 28.82,23.444 28.82,22.58 28.82,14.3 28.82,14.021 20.921,14.021
HPVCC on POWER "Bottom-No Net" (solid, remove dead copper, pour order 591): 78.041,46.482 78.092,46.431 86.194,46.431 86.194,43.106 86.2,43.1 81.006,43.1 81,43.094 81.013,43.081 81.013,41 78.087,41 78.041,41.046
GND on POWER "Bottom-No Net" (solid, remove dead copper, pour order 601): -3,50 90.5,50 92.1,48.4 92.1,2.1 88.8,-1.2 -2.5,-1.2 -4.7,1
GND on GND1 "Bottom-No Net" (solid, remove dead copper, pour order 595): -1.7,50.1 90.8,50.1 91.4,49.5 91.4,-0.7 90.6,-1.5 -0.7,-1.5 -3.1,0.9
GND on Singal "Bottom-No Net" (solid, remove dead copper, pour order 597): -1.1,49.5 89,49.5 92,46.5 92,0.5 90.8,-0.7 0.6,-0.7 -1.5,1.4
GND on GND2 "Bottom-No Net" (solid, remove dead copper, pour order 603): -1.9,49.6 90.7,49.6 92.9,47.4 92.9,1.9 89.9,-1.1 -0.4,-1.1 -3.4,1.9

## Keep-outs
Keep-Out Layer:
  lines w0.254: 0.499,16.656 3,16.656 cw(c2.987,16.142) 3.5,16.129 ; 0.499,16.66 cw(c0.499,17.158) 0,17.158 0,27.55 cw(c0.55,27.5) 0.6,28.05 3.1,28.05 ccw(c3.05,28.5) 3.5,28.55 3.5,35.55 ccw(c3.05,35.6) 3.1,36.05 0.6,36.05 cw(c0.55,36.6) 0,36.55 0,44 cw(c4,44) 4,48 87.4,48 cw(c87.4,44) 91.4,44 91.4,38.4 cw(c90.9,38.4) 90.9,37.9 83.4,37.9 ccw(c83.4,37.4) 82.9,37.4 82.9,29.49 ccw(c83.4,29.49) 83.4,28.99 87.7,28.99 ccw(c87.7,29.49) 88.2,29.49 88.2,29.8 ccw(c87.699,29.801) 87.7,30.302 86.975,30.302 ; 3.5,16.156 3.5,10.7 cw(c3,10.7) 3,10.2 0.527,10.2 ccw(c0.513,9.687) 0,9.7 0,4 ccw(c4,4) 4,0 68.2,0 ccw(c68.25,0.55) 68.8,0.5 68.8,1.1 cw(c69.3,1.1) 69.3,1.6 82.2,1.6 cw(c82.2,1.1) 82.7,1.1 82.7,0.5 ccw(c83.2,0.5) 83.2,0 87.4,0 ccw(c87.4,4) 91.4,4 91.4,20.2 ; 86.626,30.607 ccw(c86.926,30.607) 86.926,30.307 ; 86.627,30.632 86.627,34.752 cw(c86.927,34.752) 86.927,35.052 91.053,35.052 ; 90.9,20.698 cw(c90.9,20.198) 91.4,20.198 ; 90.9,20.7 87.4,20.7 cw(c87.4,21.2) 86.9,21.2 86.9,26.9 cw(c87.395,26.895) 87.4,27.39 89.2,27.39 ccw(c89.2,27.89) 89.7,27.89 89.7,29.8 cw(c90.214,29.814) 90.2,30.328 91.147,30.328 ; 91.097,30.328 ccw(c91.097,30.628) 91.397,30.628 ; 91.1,35.052 cw(c91.1,34.752) 91.4,34.752 91.4,30.632

## Other copper
TOP:
  rectangle net N497492: 66.978,42.629 67.743,44.534
  rectangle net DCIN-5V: 62.116,37.458 62.471,37.712
  rectangle net IPSOUT: 70.32,38.83 71.844,39.338
  rectangle net HPVCC: 47.434,43.917 48.552,44.907
  rectangle net HPVCC: 45.961,43.84 48.552,44.323
  rectangle net DCIN-5V: 55.058,34.366 56.582,35.128
  rectangle net IPSOUT: 66.768,34.036 67.123,35.255
  pour cut-out: 92.277,26.695 92.277,30.556 85.216,30.556 85.139,30.632 84.53,30.023 84.53,28.981 84.581,28.931 86.384,28.931 86.384,26.67
  pour cut-out: 92.277,26.681 92.277,30.542 85.216,30.542 85.139,30.618 84.53,30.009 84.53,28.967 84.581,28.916 86.384,28.916 86.384,26.656
  pour cut-out: 81.677,38.811 81.677,28.702 84.776,28.702 84.776,37.058 84.725,37.109 84.776,37.16 88.307,37.16 88.307,38.811
  pour cut-out: 91.939,35.814 84.624,35.814 84.522,35.712 84.548,35.687 84.548,28.931 92.192,28.931
  pour cut-out: 91.634,17.018 88.205,17.018 88.18,16.992 88.18,9.042 92.142,9.042
  region net IPSOUT: 63.297,36.833 63.293,36.829 63.293,36.83 62.687,36.83 62.687,35.382 62.382,35.077 62.382,32.69 60.249,32.69 60.249,33.756 61.519,33.756 61.519,36.906 62.255,36.906 62.738,37.389 62.738,37.554 62.75,37.566 63.297,37.566
  region net DCIN-5V: 61.265,37.719 62.001,37.719 62.128,37.795 62.128,38.049 62.23,38.125 62.23,38.379 63.297,38.379 63.297,37.693 62.611,37.693 62.611,37.49 62.332,37.135 61.265,37.135
  region net USBVBUS: 61.976,38.836 62.078,38.963 62.078,39.37 62.687,39.37 62.687,38.938 62.814,38.786 62.853,38.731 63.221,38.735 63.576,38.735 63.576,38.481 62.154,38.481 62.128,38.43 62.001,38.1 61.951,37.973 61.265,37.973 61.265,38.836
  region net VINT: 62.967,40.741 62.103,40.741 62.103,40.589 61.265,40.589 61.265,39.776 61.951,39.776 62.027,39.852 62.027,40.106 62.103,40.132 62.408,40.132 62.967,40.106
  region net BAT: 63.652,30.861 63.652,31.343 65.1,31.343 65.1,30.937 64.922,30.759 64.262,30.759 64.262,29.108 62.586,29.108 62.586,30.861
  region net BAT: 62.586,35.077 62.586,34.341 64.262,34.366 65.075,35.179 65.075,35.788 64.364,35.788 64.364,35.433 64.287,35.077
  region net WIFI_3V3: 65.557,35.585 65.557,35.001 65.151,34.595 64.77,34.188 64.719,33.198 65.811,33.198 65.811,34.391 65.913,34.595 65.938,35.585
  pour cut-out: 6.363,42.312 6.413,42.312 6.413,42.414 6.363,42.414
  pour cut-out: 62.749,37.565 62.748,37.564 62.748,36.874 63.249,36.874 63.293,36.829 63.293,37.612 62.871,37.612
  pour cut-out: 9.828,28.278 19.226,37.676 19.226,37.59 25.449,31.367 16.051,21.969 16.051,21.928
  pour cut-out: 9.828,28.278 19.14,37.59 19.226,37.59 25.449,31.367 16.051,21.969 16.051,21.928
  pour cut-out: 17.194,15.578 18.083,15.578 18.083,13.673 17.194,13.673
  pour cut-out: 25.449,28.786 25.703,28.532 27.735,28.532 27.735,23.579 27.862,23.452 24.306,23.452 24.306,25.992 24.143,26.155 24.143,28.675
  pour cut-out: 37.895,31.072 33.577,31.072 33.577,30.183 37.895,30.183
  pour cut-out: 33.577,30.183 29.132,30.183 24.179,25.23 22.274,25.23 14.527,32.977 20.496,38.946 24.814,38.946
  pour cut-out: 68.105,32.599 68.116,32.588 72.709,32.588 72.709,31.136 68.105,31.136
  pour cut-out: 71.28,42.565 75.85,42.565 75.884,42.599 75.884,41.169 71.28,41.169
  pour cut-out: 67.95,42.297 67.999,42.248 68.749,42.248 68.749,41.869 67.95,41.869
  pour cut-out: 33.464,45.51 33.464,44.062 33.439,44.037 28.74,44.037 28.74,45.485 28.715,45.51
  pour cut-out: 60.998,43.891 60.998,43.205 60.921,43.282 58.966,43.282 59.016,43.231 59.016,42.596 61.658,42.596 61.734,42.672 61.556,42.85 61.556,43.891
  pour cut-out: 22.111,44.779 22.109,44.78 21.412,44.78 21.412,43.942 21.59,43.764 21.869,43.764 21.869,44.526 22.098,44.755
  region net WIFI_3V3: 70.155,40.462 70.612,40.919 70.612,43.18 70.968,43.612 70.968,44.196 71.374,44.831 71.374,45.796 70.002,45.821 70.002,40.945 69.952,40.792 68.809,40.792 68.809,40.487 68.834,40.462
  region net CPU-VDD: 68.809,40.335 70.206,40.335 70.79,40.919 70.79,43.129 71.247,43.586 71.247,44.196 71.679,44.628 71.679,45.796 75.844,45.796 75.844,42.571 75.85,42.565 75.83,42.545 71.298,42.545 71.247,40.97 70.383,40.056 68.809,40.056
  pour cut-out: 75.82,41.105 76.09,41.105 76.098,41.097 76.098,41.224 75.743,41.224 75.717,41.249
  region net IPSOUT: 64.516,42.977 65.532,42.977 65.532,41.707 65.176,41.707 65.176,42.494 64.668,42.494 64.516,42.773
  pour cut-out: 79.374,39.853 79.374,43.637 79.399,43.663 83.514,43.663 83.539,43.637 83.539,42.494 83.514,42.469 83.641,42.342 86.435,42.342 86.435,39.751 83.666,39.751 83.488,39.573 83.488,38.837 79.374,38.837 79.374,39.761
  pour cut-out: 76.965,37.118 78.299,37.118 78.307,37.109 78.307,36.424 76.965,36.424
  pour cut-out: 79.348,34.595 80.466,34.595 80.466,33.579 80.39,33.503 79.424,33.503 79.348,33.579
Singal:
  pour cut-out: 92.277,26.695 92.277,30.556 85.216,30.556 85.139,30.632 84.53,30.023 84.53,28.981 84.581,28.931 86.384,28.931 86.384,26.67
  pour cut-out: 29.337,21.666 30.658,21.666 30.607,21.615 30.607,12.471 29.464,12.471 29.337,12.598
  pour cut-out: 91.634,17.043 88.205,17.043 88.18,17.018 88.18,9.068 92.142,9.068
  pour cut-out: 82.211,38.811 81.677,38.278 81.677,28.702 84.776,28.702 84.776,37.058 84.725,37.109 84.776,37.16 88.307,37.16 88.307,38.811
  pour cut-out: 81.013,43.129 85.077,43.129 85.077,38.755 81.013,38.755
POWER:
  rectangle net CORE-VDD: 44.822,19.71 45.838,24.485
  rectangle net CORE-VDD: 57.065,34.518 57.522,36.22
  rectangle net CPU-VDD: 56.379,45.11 62.577,45.618
  rectangle net CORE-VDD: 59.097,35.237 59.325,39.116
  pour cut-out: 92.277,26.695 92.277,30.556 85.216,30.556 85.139,30.632 84.53,30.023 84.53,28.981 84.581,28.931 86.384,28.931 86.384,26.67
  pour cut-out: 92.277,26.681 92.277,30.542 85.216,30.542 85.139,30.618 84.53,30.009 84.53,28.967 84.581,28.916 86.384,28.916 86.384,26.656
  pour cut-out: 62.039,33.63 61.988,33.68 61.988,35.357 66.713,35.357 66.738,35.331 66.713,35.306 66.713,34.188 68.186,34.188 68.237,34.239 68.287,34.188 71.589,34.188 71.589,33.655 71.462,33.528 71.285,33.706 61.988,33.706
  pour cut-out: 69.354,44.425 69.354,43.815 71.564,43.815 71.564,44.348 71.513,44.399
  pour cut-out: 69.456,43.078 69.456,39.675 71.437,39.675 71.462,39.7 71.361,39.802 71.361,42.977
  pour cut-out: 71.158,38.71 69.43,38.71 69.43,34.112 69.634,33.909 71.564,33.909 71.564,38.659 71.589,38.684
  pour cut-out: 63.588,44.577 68.186,44.577 68.211,44.552 68.211,43.942 63.588,43.942
  pour cut-out: 10.507,34.899 10.964,34.442 10.964,34.417 13.097,36.55 12.462,37.185 12.132,37.185 10.253,35.306
  pour cut-out: 55.063,42.672 55.058,42.667 55.058,41.554 55.033,41.529 52.747,41.529 52.747,42.24 52.772,42.265
  pour cut-out: 20.667,14.529 28.21,14.529 28.464,14.783 28.464,23.469 28.566,23.571 28.972,23.571 29.023,23.52 29.023,14.275 28.896,14.148 20.667,14.148
  pour cut-out: 40.386,31.623 40.792,31.623 40.792,30.835 40.03,30.073 39.218,30.073 39.218,30.302 39.167,30.353 40.386,31.572
  pour cut-out: 26.949,6.197 26.949,5.461 27,5.41 28.804,7.213 28.829,7.213 28.829,7.366 31.039,9.576 30.861,9.753 30.632,9.753
  pour cut-out: 91.634,17.043 88.205,17.043 88.18,17.018 88.18,9.068 92.142,9.068
  pour cut-out: 82.211,38.811 81.677,38.278 81.677,28.702 84.776,28.702 84.776,37.058 84.725,37.109 84.776,37.16 88.307,37.16 88.307,38.811
  pour cut-out: 81.013,43.129 85.077,43.129 85.077,38.755 81.013,38.755
GND1:
  pour cut-out: 92.277,26.695 92.277,30.556 85.216,30.556 85.139,30.632 84.53,30.023 84.53,28.981 84.581,28.931 86.384,28.931 86.384,26.67
  pour cut-out: 91.634,17.018 88.205,17.018 88.18,16.992 88.18,9.042 92.142,9.042
  pour cut-out: 82.211,38.811 81.677,38.278 81.677,28.702 84.776,28.702 84.776,37.058 84.725,37.109 84.776,37.16 88.307,37.16 88.307,38.811
  pour cut-out: 81.013,43.129 85.077,43.129 85.077,38.755 81.013,38.755
GND2:
  pour cut-out: 92.277,26.695 92.277,30.556 85.216,30.556 85.139,30.632 84.53,30.023 84.53,28.981 84.581,28.931 86.384,28.931 86.384,26.67
  pour cut-out: 91.634,17.018 88.205,17.018 88.18,16.992 88.18,9.042 92.142,9.042
  pour cut-out: 82.211,38.811 81.677,38.278 81.677,28.702 84.776,28.702 84.776,37.058 84.725,37.109 84.776,37.16 88.307,37.16 88.307,38.811
  pour cut-out: 81.013,43.129 85.077,43.129 85.077,38.755 81.013,38.755
BOTTOM:
  rectangle net USBVBUS: 53.509,43.993 54.55,45.567
  rectangle net IPSOUT: 61.002,20.675 61.51,22.25
  rectangle net VCC-WIFI-3V3: 81.982,12.446 82.566,13.817
  rectangle net BAT: 17.462,2.438 19.24,3.607
  rectangle net VCC-5V: 17.589,4.597 19.773,6.782
  rectangle net DCIN-5V: 53.378,35.23 55.257,36.322
  rectangle net USBVBUS: 53.153,42.773 54.597,44.78
  rectangle net VCC-5V: 57.213,19.406 58.712,20.599
  rectangle net DRAM-VCC: 6.032,15.824 8.75,17.094
  rectangle net CORE-VDD: 36.338,18.237 37.786,19.253
  pour cut-out: 92.277,26.695 92.277,30.556 85.216,30.556 85.139,30.632 84.53,30.023 84.53,28.981 84.581,28.931 86.384,28.931 86.384,26.67
  pour cut-out: 88.218,16.954 88.218,17.281 88.231,17.294 88.335,17.294 88.335,17.237 88.448,17.124 88.382,17.059 88.382,16.938
  pour cut-out: 63.767,18.563 63.767,19.731 63.716,19.782 63.69,19.757 63.69,18.563 63.665,18.538
  pour cut-out: 59.271,17.979 58.966,17.979 58.961,17.984 58.961,18.258 59.144,18.258 59.144,18.106 59.245,18.106 59.271,18.08
  pour cut-out: 63.767,18.563 63.767,18.004 63.462,18.004 63.462,18.106 63.69,18.106 63.665,18.131 63.665,18.563
  pour cut-out: 9.665,45.942 9.614,45.891 9.614,41.243 11.036,41.243 11.087,41.192 11.239,41.345 11.239,45.91
  pour cut-out: 59.276,26.307 59.55,26.307 59.55,26.167 59.276,26.167
  pour cut-out: 55.176,41.91 55.181,41.905 55.181,41.123 62.115,41.123 62.039,41.199 62.039,41.656
  pour cut-out: 89.932,16.967 89.932,14.275 89.958,14.249 89.983,14.275 90.644,14.275 90.644,16.992 91.482,16.992 91.482,9.042 91.456,9.017 90.339,9.017 90.339,10.058 89.297,10.058 89.297,8.966 89.259,9.004 88.218,9.004 88.218,16.954 88.205,16.967
  pour cut-out: 33.553,6.604 33.604,6.655 35.357,6.655 35.357,6.172 35.331,6.197 33.579,6.197
  pour cut-out: 82.211,38.811 81.677,38.278 81.677,28.702 84.776,28.702 84.776,37.058 84.725,37.109 84.776,37.16 88.307,37.16 88.307,38.811
  pour cut-out: 83.6,43.129 83.6,40.9 83.5,40.8 81.013,40.8 81.013,38.755 85.077,38.755 85.077,43.129

## Silkscreen, mask and mechanical layers (free items; w line width, h text height)
Silkscreen Top:
  lines w0.381: 5,17.2 5,15 7.2,15 ; 5,19.7 5,21 ; 5,23.4 5,24.8 ; 5,27.2 5,29.75 5.77,30.469 ; 7.591,32.287 8.757,33.376 ; 9.8,15 11.6,15 11.6,14.5 ; 10.436,35.186 14.472,39.04 ; 11.6,13 11.6,12.5 12.6,12.5 ; 15.2,12.5 17,12.5 17,11.3 ; 16.176,40.749 17.64,42.147 ; 17,7 17,0.6 18.2,0.6 ; 17,8.8 17,9.3 ; 17.664,42.132 17.926,41.858 ; 19.696,39.998 19.994,39.7 20.9,39.7 ; 20.6,0.6 21.6,0.6 ; 23.7,39.7 26.5,39.7 ; 24.2,0.6 25.6,0.6 ; 29.2,0.6 32.2,0.6 ; 30.1,39.7 32.6,39.7 ; 35.2,39.7 36.2,39.7 36.2,39 ; 35.8,0.6 38.8,0.6 ; 36.2,37 38.5,37 ; 36.2,37.022 36.2,37.6 ; 40.8,37 41.4,37 41.4,36.5 ; 41.4,31 41.4,27.45 51.5,27.45 51.5,22 ; 41.4,33.5 41.4,34.1 ; 42.3,0.6 45.3,0.6 ; 48.8,0.6 51.5,0.6 51.5,1.2 ; 51.5,3 51.5,5.7 ; 51.5,7.6 51.5,10.1 ; 51.5,12.5 51.5,14 ; 51.5,15.4 51.5,20.6
  text "11BRANMB10H-ClearGrass-2017/9/19-PVT" at 36.117,46.507 h1.27
  text "4#" at 19.342,1.676 h0.76 r90
Silkscreen Bottom:
  drawing of 636 lines, arcs and shapes, not listed
  text "4#" at 77.381,20.599 h0.76
  text "Danger! Electric" at 25.057,18.713 h0.76